# Altium PCB CL-HC-M-V2.1gerber.PcbDoc (part 13 of 16)
Units mil, origin at the board's own origin, x right, y up, seen from the top; angles counter-clockwise.
Board outline 27559.06 x 27559.06 mil, 2 copper layers (TopLayer, BottomLayer); 575 components, 528 nets, 1941 pads, 1850 vias.
Unrouted connection lines stored in the file: 70.
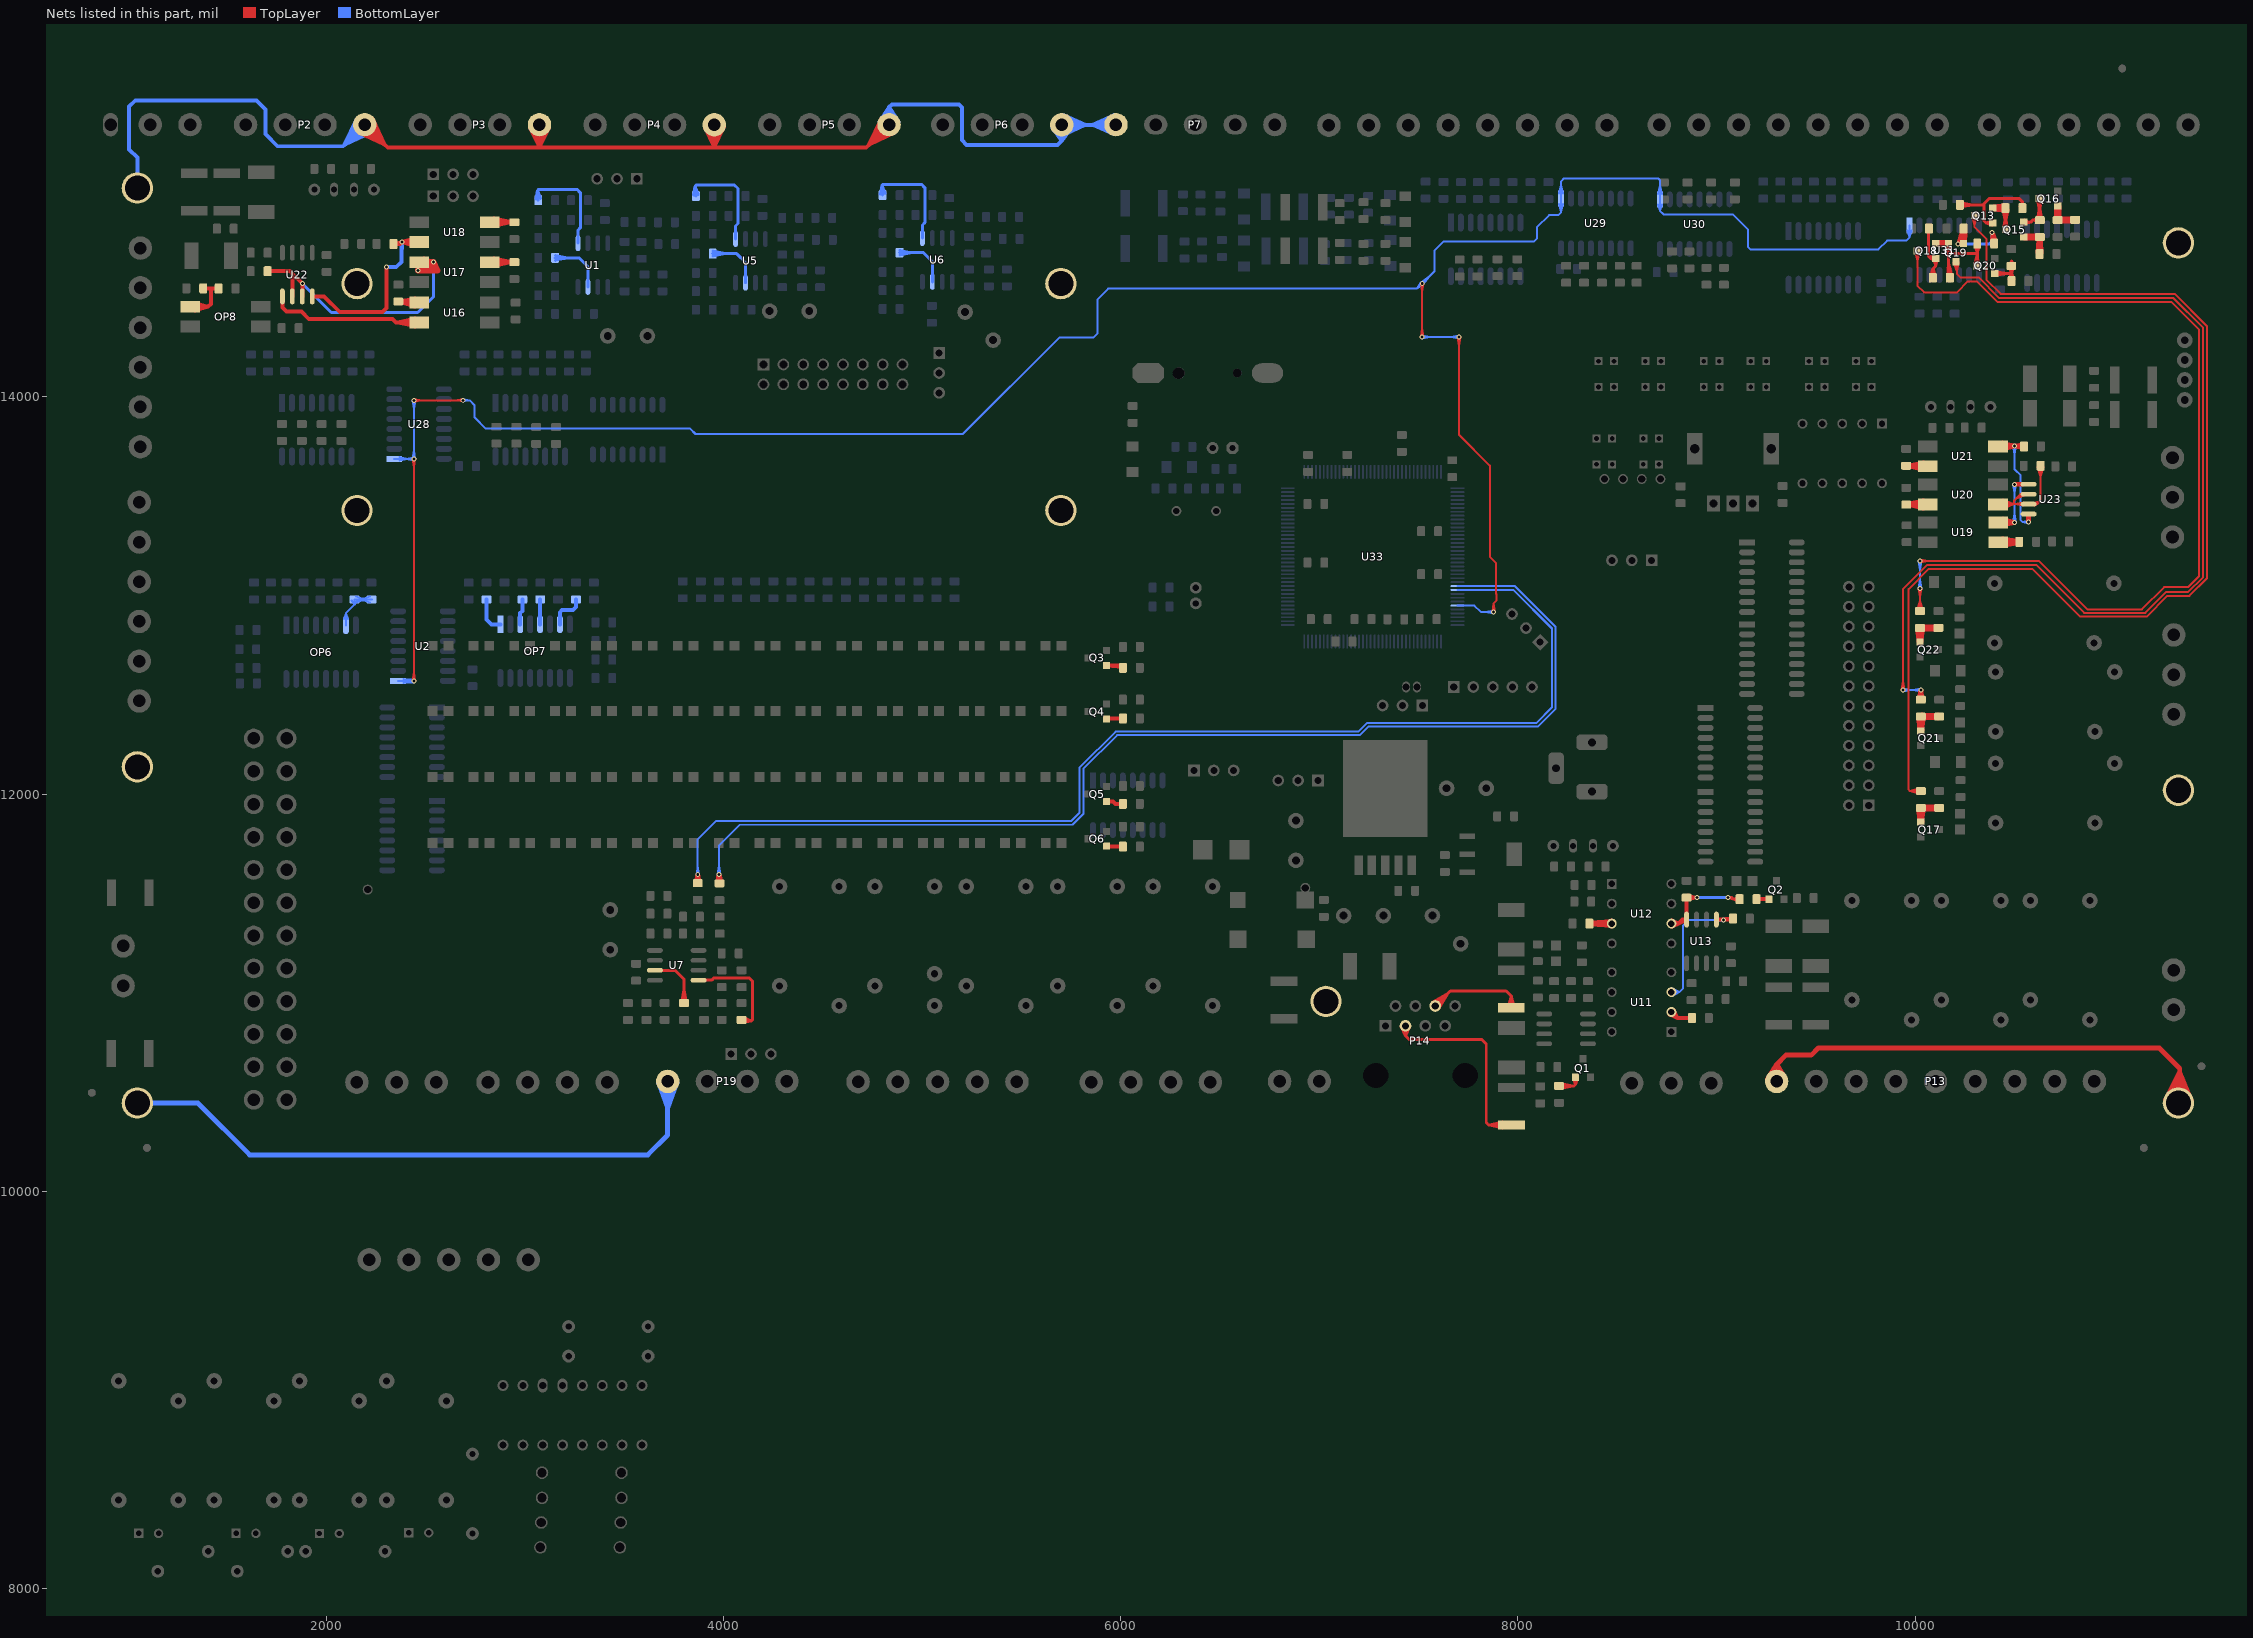
[diagram p13: the nets of this part, all layers, seen from the top]

## Via types
v1: diameter 25, hole 15, TopLayer to BottomLayer, tented both sides, 1813 vias
v2: diameter 20, hole 12, TopLayer to BottomLayer, tented both sides, 24 vias
v3: diameter 25, hole 15, TopLayer to BottomLayer, 13 vias

## Nets (pads, with @x,y where several pads share a name; then routed paths per layer and width w, separated by ;. In a path a pad name is that pad's centre, name@x,y a point inside that pad or via, vN(x,y) a via of type N, cw(c..) or ccw(c..) an arc to the next point about the centre after c; other vN are vias at no path point) (continued)
NetOP6_7: OP6.7 R147.2 R157.1 | length 681.1
  BottomLayer w10: OP6.7@2089.51,12881.81 2099.37,12910.45 ; OP6.7@2099.37,12850.16 2099.37,12910.45 ; OP6.7@2099.37,12880.16 2099.37,12910.45 ; OP6.7@2109.23,12881.81 2099.37,12910.45 ; R157.1@2128.11,12976.02 2142.5,12953.58 ; R157.1@2147.5,12980.24 2197.5,12980.24 ; R157.1@2149.75,12965.41 2197.5,12980.24 ; R157.1@2149.75,12995.07 2197.5,12980.24 ; R157.1@2156.9,12976.02 2142.5,12953.58 ; R147.2@2220.45,12965.22 2172.76,12980.24 ; R147.2@2220.57,12994.88 2172.76,12980.24 ; R147.2@2222.76,12980.04 2172.76,12980.24 ; R147.2@2227.76,12980.04 2229.59,12980.24 R157.1@2142.5,12980.24 2142.5,12953.58 ; 2099.37,12910.45 2142.5,12953.58
NetOP7_1: OP7.1 R71.2 | length 304.1
  BottomLayer w20: 2807.76,12900.04 R71.2@2807.76,12980.04 2807.76,12879.95 2832.62,12855.09 ; 2832.62,12855.09 OP7.1@2877.06,12855.09 2832.62,12855.09
NetOP7_3: OP7.3 R70.2 | length 213.6
  BottomLayer w20: OP7.3@2977.06,12855.09 2977.06,12912.26 ; OP7.3@2977.06,12885.09 2977.06,12912.26 ; 2977.06,12912.26 2987.76,12922.96 ; 2987.76,12922.96 R70.2@2987.76,12980.04 2987.76,12922.96
NetOP7_5: OP7.5 R69.2 | length 360.8
  BottomLayer w20: OP7.5@3077.06,12855.09 3077.06,12979.34 R69.2@3077.76,12980.04 ; OP7.5@3077.06,12885.09 R69.2@3077.06,12960.09 ; OP7.5@3077.06,12899.54 R69.2@3077.76,12980.04 ; OP7.5@3077.06,12900.03 R69.2@3077.76,12980.04
NetOP7_7: OP7.7 R68.2 | length 259.8
  BottomLayer w20: OP7.7@3177.06,12855.09 3177.06,12915.7 ; OP7.7@3177.06,12885.09 3177.06,12915.7 ; 3177.06,12915.7 3188.2,12926.84 3243.18,12926.84 3257.76,12941.42 ; 3257.76,12941.42 R68.2@3257.76,12980.04 3257.76,12941.42
NetOP8_1: OP8.1 R143.2 R153.1 | length 511.1
  TopLayer w20: OP8.1@1316.4,14453.86 1405.55,14453.86 ; OP8.1@1336.08,14453.86 1405.55,14453.86 ; OP8.1@1338.82,14434.53 1405.55,14453.86 ; OP8.1@1338.82,14473.2 1405.55,14453.86 ; R143.2@1458.68,14545.33 1419.4,14545.33 ; 1405.55,14453.86 1419.4,14467.71 1419.4,14545.33 ; 1419.4,14545.33 1381.99,14545.33 R153.1@1381.07,14546.26 1419.4,14545.33
NetQ1_2: Q1.2 R158.2 | length 421.9
  TopLayer w15: R158.2@8206.96,10531.03 8282.11,10531.03 8289.97,10538.9 ; R158.2@8211.96,10531.03 8276.96,10531.03 ; R158.2@8213.16,10518.59 8276.96,10531.03 ; R158.2@8213.16,10543.47 8276.96,10531.03 ; Q1.2@8279.87,10572.32 8289.97,10538.9 ; Q1.2@8289.97,10573.82 8289.97,10538.9 ; Q1.2@8289.97,10574.8 8289.97,10538.9 ; Q1.2@8300.08,10572.32 8289.97,10538.9
NetQ2_2: Q2.2 R163.1 | length 62.6
  TopLayer w20: R163.1@9201.04,11471.14 Q2.2@9263.64,11471.14
NetQ3_2: Q3.2 R208.1 | length 321.5
  TopLayer w20: R208.1@6011.13,12635.98 R208.1@5999.07,12648.05 ; R208.1@5999.07,12648.05 Q3.2@5928.65,12648.05 6011.13,12640.98 5929.63,12648.05 R208.1@5999.07,12648.05
NetQ4_2: Q4.2 R210.1 | length 241.6
  TopLayer w20: Q4.2@5928.65,12378.05 5931.58,12380.98 R210.1@6011.13,12380.98 Q4.2@5931.17,12378.1 ; Q4.2@5929.63,12378.05 R210.1@6007.51,12380.98
NetQ5_2: Q5.2 R212.1 | length 118.7
  TopLayer w20: Q5.2@5928.65,11963.05 5960.85,11963.05 ; Q5.2@5929.63,11963.05 5960.85,11963.05 ; R212.1@6011.13,11950.98 5972.91,11950.98 5960.85,11963.05
NetQ6_2: Q6.2 R214.1 | length 314.9
  TopLayer w20: Q6.2@5928.65,11738.05 5930.72,11735.98 6006.13,11735.98 Q6.2@5929.63,11738.05 ; Q6.2@5931.13,11735.98 R214.1@6011.13,11735.98 Q6.2@5931.15,11738.01
NetQ13_1: Q13.1 R260.2 | length 5867.6
  TopLayer w10: R260.2@10020.87,12000.53 9973.38,12015.36 ; R260.2@10020.87,12030.19 9973.38,12015.36 ; R260.2@10023.13,12015.36 9973.38,12015.36 ; R260.2@10028.13,12015.36 9973.38,12015.36 ; Q13.1@10286,14910.91 10298.61,14864.89 Q13.1@10311.21,14910.91 ; Q13.1@10298.61,14912.6 10298.61,14855.09 10358.67,14795.02 10358.67,14589.59 10429.91,14518.36 11306.07,14518.36 11469.08,14355.35 11469.08,13087.33 11380.26,12998.5 11269.72,12998.5 11164.72,12893.5 10831.19,12893.5 10590.33,13134.36 10068.66,13134.36 9966.38,13032.07 9966.38,12022.36 9973.38,12015.36
NetQ13_2: Q13.2 R257.2 R261.1 | length 809.3
  TopLayer w15: R261.1@10224.57,14966.99 10344.92,14966.99 10347.18,14964.73 ; R261.1@10225.78,14954.55 10289.57,14966.99 R261.1@10225.78,14979.43 ; Q13.2@10388.52,14865.11 10357.95,14875.2 ; Q13.2@10388.52,14885.29 10357.95,14875.2 ; Q13.2@10390.14,14875.2 10357.95,14875.2 ; Q13.2@10391.12,14875.2 10357.95,14875.2 ; R257.2@10527.02,14958.04 10539.2,14982.76 ; R257.2@10539.2,14950.21 10539.2,14982.76 ; R257.2@10539.2,14955.21 10539.2,14982.76 ; R257.2@10551.37,14958.04 10539.2,14982.76 ; 10347.18,14964.73 10347.18,14973.34 10371.48,14997.64 10524.31,14997.64 10539.2,14982.76 ; 10347.18,14964.73 10347.18,14885.98 10357.95,14875.2
NetQ13_3: Q13.3 Q15.1 R257.1 | length 1422.2
  TopLayer w15: R257.1@10441.77,14943.86 10454.94,14880.2 ; Q15.1@10444.75,14842.7 10454.94,14904.58 Q15.1@10465.12,14842.7 ; R257.1@10451.84,14957.48 Q13.3@10392.95,14939.82 ; R257.1@10451.92,14942.91 Q13.3@10392.95,14960.19 ; R257.1@10452.9,14962.64 Q13.3@10392.11,14950.01 ; R257.1@10452.92,14962.64 Q13.3@10391.13,14950.01 ; R257.1@10453.94,14967.7 Q13.3@10392.95,14960.19 ; R257.1@10454.02,14932.71 Q13.3@10392.95,14939.82 ; R257.1@10454.2,14955.21 Q13.3@10392.95,14960.19 ; Q15.1@10454.94,14841.87 10454.94,14949.46 R257.1@10454.2,14950.21 ; R257.1@10466.65,14944.15 10454.94,14880.2 ; Q13.3@10391.13,14950.01 R257.1@10454,14950.01 ; Q13.3@10391.13,14950.01 10453,14937.76 Q13.3@10392.11,14950.01 ; Q13.3@10391.13,14950.01 R257.1@10454.2,14950.21 ; Q13.3@10392.11,14950.01 R257.1@10454,14950.01 ; Q13.3@10392.11,14950.01 R257.1@10454.2,14950.21 ; Q13.3@10392.95,14939.82 R257.1@10454,14950.01 ; Q13.3@10392.95,14939.82 10454.2,14945.21 10454.94,14880.2 ; Q13.3@10392.95,14960.19 R257.1@10454,14950.01 ; R257.1@10454,14950.01 R257.1@10454.2,14950.21
NetQ15_2: Q15.2 R258.2 R262.1 | length 1838.1
  TopLayer w15: Q15.2@10547.46,14804.47 R258.2@10627.16,14804.47 10627.16,14719.97 R262.1@10625.95,14718.75 ; Q15.2@10547.57,14794.29 R258.2@10610.69,14794.03 ; Q15.2@10547.57,14814.65 R258.2@10610.69,14814.91 ; Q15.2@10550.94,14794.56 R258.2@10610.69,14814.91 ; Q15.2@10550.94,14814.37 R258.2@10610.69,14794.03 ; R262.1@10613.45,14723.31 R258.2@10617.35,14789.76 ; R262.1@10613.53,14725.19 R258.2@10627.16,14788.77 ; R262.1@10613.87,14726.97 R258.2@10636.76,14788.67 ; R258.2@10614.72,14803.26 10627.16,14739.47 R258.2@10639.6,14803.26 ; R258.2@10620.96,14792.02 Q15.2@10557.16,14804.47 ; R258.2@10620.96,14816.91 Q15.2@10557.16,14804.47 ; R258.2@10622.16,14804.47 Q15.2@10557.16,14804.47 ; R262.1@10638.14,14726.52 R258.2@10617.35,14789.76 ; R262.1@10638.42,14722.88 R258.2@10636.76,14788.67 ; R262.1@10638.41,14724.72 R258.2@10627.16,14788.77 ; Q15.2@10548.44,14804.47 R258.2@10611.16,14804.47 ; Q15.2@10548.44,14804.47 R258.2@10610.69,14814.91 ; Q15.2@10548.44,14804.47 R258.2@10611.16,14804.47 ; Q15.2@10548.44,14804.47 R258.2@10610.69,14794.03 ; R258.2@10611.16,14804.47 10549.27,14814.65 R258.2@10611.16,14804.47 ; R258.2@10611.16,14804.47 10549.27,14794.28 R258.2@10611.16,14804.47 ; R258.2@10617.35,14789.76 R262.1@10625.95,14723.75 ; R262.1@10625.95,14723.75 R258.2@10627.16,14788.77 ; R262.1@10625.95,14723.75 R258.2@10636.76,14788.67
NetQ15_3: Q15.3 Q16.1 R258.1 | length 697.4
  TopLayer w15: Q15.3@10547.46,14879.27 10581.1,14879.27 ; Q15.3@10548.44,14879.27 10581.1,14879.27 ; Q15.3@10550.04,14869.18 10581.1,14879.27 ; Q15.3@10550.04,14889.36 10581.1,14879.27 ; R258.1@10614.68,14890.23 10624.86,14954.56 ; Q16.1@10614.68,14997.68 10624.86,14935.79 Q16.1@10635.05,14997.68 ; R258.1@10618.46,14877.52 10593.59,14891.76 ; R258.1@10620.42,14901.84 10593.59,14891.76 ; R258.1@10622.16,14889.47 10593.59,14891.76 ; Q16.1@10624.86,14998.51 R258.1@10624.86,14891.76 ; R258.1@10639.55,14891.1 10624.86,14954.56 ; 10581.1,14879.27 10593.59,14891.76 ; 10593.59,14891.76 R258.1@10624.86,14891.76 ; R258.1@10624.86,14891.76 R258.1@10627.16,14889.47 10624.86,14954.56
NetQ16_2: Q16.2 R259.2 R263.1 | length 1771
  TopLayer w15: R259.2@10704.94,14891.55 10717.38,14955.35 R259.2@10729.83,14891.55 ; Q16.2@10706.21,14961.91 R259.2@10706.4,14899.04 ; Q16.2@10707.2,14960.27 10717.38,14898.39 Q16.2@10727.57,14960.27 ; Q16.2@10708.45,14958.67 R259.2@10728.37,14899.04 ; Q16.2@10716.4,14961.11 R259.2@10706.4,14899.04 ; Q16.2@10717.38,14961.11 R259.2@10717.38,14890.35 10803.5,14890.35 R263.1@10804.7,14891.55 ; Q16.2@10718.37,14961.11 R259.2@10728.37,14899.04 ; R259.2@10722.38,14890.35 R263.1@10787.38,14890.35 ; R259.2@10723.58,14877.91 R263.1@10787.38,14890.35 ; R259.2@10723.58,14902.79 R263.1@10787.38,14890.35 ; Q16.2@10726.32,14958.67 R259.2@10706.4,14899.04 ; Q16.2@10728.55,14961.91 R259.2@10728.37,14899.04 ; R263.1@10796.36,14903.59 R259.2@10735.11,14880.16 ; R263.1@10796.8,14879.39 R259.2@10734.39,14900.69 ; R263.1@10800.25,14904.03 R259.2@10734.39,14900.69 ; R263.1@10800.68,14879.08 R259.2@10735.11,14880.16 ; R259.2@10734.39,14900.69 R263.1@10799.7,14891.55 ; R259.2@10734.65,14890.35 10798.72,14879.08 R259.2@10734.68,14890.35 ; R259.2@10734.65,14890.35 10798.27,14903.96 R259.2@10734.68,14890.35 ; R259.2@10734.65,14890.35 R263.1@10799.7,14891.55 ; R259.2@10734.68,14890.35 R263.1@10799.7,14891.55 ; R259.2@10735.11,14880.16 R263.1@10799.7,14891.55
NetQ17_2: Q17.2 R260.1 R275.2 | length 1793
  TopLayer w15: R260.1@10010.64,11929.95 Q17.2@10018.96,11865.74 ; R260.1@10015.69,11929.16 10028.13,11865.36 R260.1@10040.58,11929.16 ; Q17.2@10017.95,11859.59 10028.13,11921.48 Q17.2@10038.32,11859.59 ; R260.1@10020.79,11928.35 Q17.2@10037.3,11865.74 ; R260.1@10023.13,11930.36 Q17.2@10018.96,11865.74 ; Q17.2@10028.13,11858.76 R260.1@10028.13,11930.36 R275.2@10120.65,11930.36 ; R260.1@10032.53,11917.87 R275.2@10099.11,11920.91 ; R260.1@10032.53,11942.84 R275.2@10099.11,11939.81 ; R260.1@10035.47,11928.35 Q17.2@10018.96,11865.74 ; R260.1@10036.06,11918.2 R275.2@10099.11,11939.81 ; R260.1@10036.06,11942.51 R275.2@10099.11,11920.91 ; R260.1@10045.63,11929.95 Q17.2@10037.3,11865.74 ; R275.2@10114.45,11917.92 R260.1@10050.65,11930.36 ; R275.2@10114.45,11942.8 R260.1@10050.65,11930.36 ; R275.2@10115.65,11930.36 R260.1@10050.65,11930.36 ; R260.1@10033.13,11930.36 Q17.2@10037.3,11865.74 ; R260.1@10033.13,11930.36 R275.2@10098.13,11930.36 ; R260.1@10033.13,11930.36 R275.2@10099.11,11920.91 ; R260.1@10033.13,11930.36 R275.2@10099.11,11939.81 ; R260.1@10033.13,11930.36 R275.2@10098.13,11930.36 ; R275.2@10098.13,11930.36 10034.33,11942.8 R275.2@10098.13,11930.36 ; R275.2@10098.13,11930.36 10034.33,11917.92 R275.2@10098.13,11930.36
NetQ18_1: Q18.1 R283.1 | length 5418.5
  TopLayer w10: Q18.1@9998,14732.87 10010.61,14686.85 Q18.1@10023.21,14732.87 ; R283.1@10009.25,12924.07 10024.08,12971.82 R283.1@10038.91,12924.07 ; Q18.1@10010.61,14734.56 10010.61,14560.57 10044.79,14526.39 10210.52,14526.39 10265.26,14581.13 10310.57,14581.13 10413.34,14478.36 11289.51,14478.36 11429.08,14338.78 11429.08,13098.24 11373.35,13042.5 11253.44,13042.5 11141.39,12930.45 10866.58,12930.45 10622.68,13174.36 v1@10024.08,13174.36 ; v1@10016.61,13035.7 10024.08,12993.86 ; R283.1@10024.08,12921.82 v1(10024.08,13036.36) 10024.08,12993.86 ; v1(10024.08,13174.06) 10066.58,13174.36 ; v1@10024.69,13181.54 10066.58,13174.36 ; v1@10024.79,13166.6 10066.58,13174.36 ; v1@10031.55,13035.7 10024.08,12993.86
  BottomLayer w10: v1@10016.61,13037.02 10024.08,13078.86 v1@10031.55,13037.02 ; v1@10016.61,13173.4 10024.08,13131.56 v1@10031.55,13173.4 ; v1(10024.08,13036.36) v1(10024.08,13174.06)
NetQ18_2: Q18.2 R265.2 R269.1 | length 737.3
  TopLayer w15: R269.1@10069.14,14847.28 10066.93,14845.07 10066.93,14708.31 ; R265.2@10076.98,14606.63 10089.33,14645.64 ; R265.2@10089.33,14599.72 10089.33,14645.64 ; R265.2@10089.33,14604.72 10089.33,14645.64 ; Q18.2@10093,14695.78 10103.13,14659.43 ; Q18.2@10097.74,14687.94 10066.93,14708.31 ; R265.2@10101.68,14606.63 10089.33,14645.64 ; Q18.2@10103.85,14707.23 10066.93,14708.31 ; Q18.2@10113.25,14695.78 10103.13,14659.43 ; 10066.93,14708.31 10078.07,14697.16 ; 10066.93,14708.31 Q18.2@10102.14,14697.16 ; 10078.07,14697.16 Q18.2@10103.13,14697.16 10103.13,14659.43 ; 10078.07,14697.16 10099.97,14687.18 10078.07,14697.16 ; 10078.07,14697.16 10099.97,14707.15 10078.07,14697.16 ; 10078.07,14697.16 Q18.2@10102.14,14697.16 ; 10078.07,14697.16 Q18.2@10102.14,14697.16 ; 10089.33,14645.64 10103.13,14659.43
NetQ18_3: Q18.3 Q19.3 Q20.1 R265.1 R266.1 | length 1827.2
  TopLayer w15: Q18.3@10103.13,14771.97 10103.3,14772.13 Q19.3@10167.99,14772.13 10167.99,14730.63 ; Q18.3@10103.28,14782.15 Q19.3@10166.25,14782.17 ; Q18.3@10103.33,14761.78 Q19.3@10166.29,14762.09 ; Q18.3@10104.92,14782.15 Q19.3@10166.83,14772.13 ; Q18.3@10104.97,14761.79 Q19.3@10166.83,14772.13 ; Q18.3@10106.53,14781.89 Q19.3@10166.29,14762.09 ; Q18.3@10106.58,14762.05 Q19.3@10166.25,14782.17 ; Q19.3@10157.86,14769.86 10167.99,14730.63 ; R265.1@10161.83,14604.7 10167.99,14670.41 ; Q19.3@10167.16,14761.95 10105.27,14772.13 Q19.3@10167.16,14782.31 ; Q19.3@10167.99,14771.15 10167.99,14730.63 ; R265.1@10174.33,14599.72 10167.99,14606.06 10167.99,14730.63 ; R265.1@10174.33,14604.72 10167.99,14670.41 ; Q19.3@10178.13,14769.86 10167.99,14730.63 ; R265.1@10186.6,14607.09 10167.99,14670.41 ; Q20.1@10299.25,14660.74 10312.37,14722.44 ; R266.1@10300,14764.96 10312.37,14723.1 ; Q20.1@10309.38,14659.43 10312.37,14722.44 ; Q20.1@10312.37,14663.4 10312.37,14723.1 ; R266.1@10312.37,14766.75 10312.37,14723.1 ; R266.1@10312.37,14771.75 10312.37,14723.1 ; Q20.1@10319.59,14659.78 10312.37,14722.44 ; R266.1@10324.74,14764.96 10312.37,14723.1 ; Q18.3@10104.11,14771.97 Q19.3@10166.83,14772.13 ; Q18.3@10104.11,14771.97 Q19.3@10166.29,14762.09 ; Q18.3@10104.11,14771.97 Q19.3@10166.25,14782.17 ; 10167.99,14730.63 10175.91,14722.71 10311.98,14722.71 10312.37,14723.1
NetQ19_1: Q19.1 R268.1 | length 5976.4
  TopLayer w10: v1@9931.14,12524.73 9938.38,12566.62 ; v1@9938.38,12524.12 9938.38,13032.36 10060.38,13154.36 10608.85,13154.36 10850.76,12912.45 11158.22,12912.45 11262.27,13016.5 11372.8,13016.5 11449.08,13092.78 11449.08,14347.06 11297.79,14498.36 10421.63,14498.36 10318.85,14601.13 10227.49,14601.13 10209.33,14619.29 10209.33,14675.68 Q19.1@10205.39,14679.61 ; v1(9938.62,12524.12) 9938.38,12566.62 ; v1@9946.08,12524.82 9938.38,12566.62 ; R268.1@10013.31,12477.68 v1(10028.13,12524.12) ; v1@10020.66,12523.45 R268.1@10028.13,12481.62 ; v1@10020.82,12525.77 R268.1@10015.02,12483.04 ; v1@10021.21,12521.22 10041.24,12483.04 v1@10035.45,12525.77 ; R268.1@10028.13,12475.37 v1(10028.13,12524.12) ; v1@10035.05,12521.22 R268.1@10015.02,12483.04 ; v1@10035.6,12523.45 R268.1@10028.13,12481.62 ; R268.1@10042.95,12477.68 v1(10028.13,12524.12) ; Q19.1@10192.97,14675.92 10209.33,14630.66 ; Q19.1@10205.39,14678.63 10209.33,14630.66 ; Q19.1@10218.09,14677.98 10209.33,14630.66 ; R268.1@10015.02,12483.04 v1(10028.13,12524.12) ; R268.1@10028.13,12481.62 v1(10028.13,12524.12)
  BottomLayer w10: v1(9938.62,12524.12) v1(10028.13,12524.12) 9985.63,12524.12 ; v1@9939.28,12516.64 9981.12,12524.12 v1@9939.28,12531.59 ; v1@10027.47,12516.64 9985.63,12524.12 ; v1@10027.47,12531.59 9985.63,12524.12
NetQ19_2: Q19.2 R266.2 R270.1 | length 2122.5
  TopLayer w15: R270.1@10231.09,14841.08 Q19.2@10243.54,14777.28 ; Q19.2@10240.76,14781.16 v1(10214.84,14770.68) ; Q19.2@10241.1,14761.07 v1(10214.84,14770.68) ; Q19.2@10242.8,14771.15 v1(10214.84,14770.68) ; R270.1@10243.54,14842.28 Q19.2@10243.54,14777.28 ; R270.1@10243.54,14847.28 10243.54,14772.87 Q19.2@10242.8,14772.13 10241.35,14770.68 v1(10214.84,14770.68) ; R270.1@10250.45,14823.27 v1(10214.84,14770.68) ; Q19.2@10252.7,14775.64 R270.1@10232.22,14835.29 ; Q19.2@10252.95,14771.99 R270.1@10254.8,14835.04 ; R270.1@10255.98,14841.08 Q19.2@10243.54,14777.28 ; v1(10214.84,14770.68) 10241.91,14826.64 v1(10214.84,14770.68) ; v1(10214.84,14770.68) Q19.2@10232.62,14774.07 ; v1(10214.84,14770.68) 10232.62,14772.22 R270.1@10232.22,14835.29 ; v1(10214.84,14770.68) R270.1@10232.22,14835.29 ; v1(10214.84,14770.68) Q19.2@10232.62,14774.07 ; v1(10214.84,14770.68) 10232.96,14775.87 R270.1@10254.8,14835.04 ; R270.1@10232.22,14835.29 Q19.2@10242.8,14773.12 ; Q19.2@10232.62,14774.07 R270.1@10243.54,14835.84 ; Q19.2@10232.62,14774.07 R270.1@10243.54,14835.84 ; Q19.2@10242.8,14773.12 R270.1@10243.54,14835.84 ; Q19.2@10242.8,14773.12 R270.1@10243.54,14835.84 ; Q19.2@10242.8,14773.12 R270.1@10254.8,14835.04 ; R270.1@10243.54,14835.84 10252.99,14773.83 R270.1@10243.54,14835.84 ; v1(10385.9,14827.51) 10397.37,14816.04 ; v1(10385.9,14827.51) R266.2@10397.37,14771.75 10397.37,14816.04 ; v1(10385.9,14827.51) 10385.03,14778.73 10397.37,14816.04 ; v1(10385.9,14827.51) 10397.37,14776.75 10397.37,14816.04 ; v1(10385.9,14827.51) 10409.71,14778.73 10397.37,14816.04
  BottomLayer w15: v1(10214.84,14770.68) 10374.56,14770.68 10385.9,14782.03 ; 10385.9,14782.03 v1(10385.9,14827.51) 10385.9,14782.03
NetQ20_2: Q20.2 R267.2 R271.1 | length 665.9
  TopLayer w15: Q20.2@10400.92,14622.03 10484.94,14622.03 10485.16,14622.25 ; Q20.2@10401.9,14622.03 10464.62,14622.03 ; Q20.2@10402.74,14611.85 10464.62,14622.03 ; Q20.2@10402.74,14632.21 10464.62,14622.03 ; R267.2@10471.41,14656.44 10485.16,14622.25 ; R267.2@10471.69,14662.76 10485.16,14685.16 ; R271.1@10472.87,14590.4 10485.16,14622.25 ; R271.1@10485.16,14583.11 10485.16,14622.25 ; R271.1@10485.16,14588.11 10485.16,14622.25 ; R267.2@10495.92,14661.34 10485.16,14685.16 ; R267.2@10496.03,14657.46 10485.16,14622.25 ; R271.1@10497.45,14590.4 10485.16,14622.25 ; 10485.16,14622.25 10485.16,14685.16 ; 10485.16,14622.25 R267.2@10483.63,14659.07 10485.16,14685.16
NetQ21_2: Q21.2 R268.2 R276.2 | length 1793
  TopLayer w15: R268.2@10010.64,12389.97 Q21.2@10018.96,12325.75 ; R268.2@10015.69,12389.17 10028.13,12325.37 R268.2@10040.58,12389.17 ; Q21.2@10017.95,12319.61 10028.13,12381.49 Q21.2@10038.32,12319.61 ; R268.2@10020.79,12388.37 Q21.2@10037.3,12325.75 ; R268.2@10023.13,12390.37 Q21.2@10018.96,12325.75 ; Q21.2@10028.13,12318.77 R268.2@10028.13,12390.37 R276.2@10120.65,12390.37 ; R268.2@10032.53,12377.89 R276.2@10099.11,12380.92 ; R268.2@10032.53,12402.86 R276.2@10099.11,12399.82 ; R268.2@10035.47,12388.37 Q21.2@10018.96,12325.75 ; R268.2@10036.06,12378.22 R276.2@10099.11,12399.82 ; R268.2@10036.06,12402.52 R276.2@10099.11,12380.92 ; R268.2@10045.63,12389.97 Q21.2@10037.3,12325.75 ; R276.2@10114.45,12377.93 R268.2@10050.65,12390.37 ; R276.2@10114.45,12402.81 R268.2@10050.65,12390.37 ; R276.2@10115.65,12390.37 R268.2@10050.65,12390.37 ; R268.2@10033.13,12390.37 Q21.2@10037.3,12325.75 ; R268.2@10033.13,12390.37 R276.2@10098.13,12390.37 ; R268.2@10033.13,12390.37 R276.2@10099.11,12380.92 ; R268.2@10033.13,12390.37 R276.2@10099.11,12399.82 ; R268.2@10033.13,12390.37 R276.2@10098.13,12390.37 ; R276.2@10098.13,12390.37 10034.33,12402.81 R276.2@10098.13,12390.37 ; R276.2@10098.13,12390.37 10034.33,12377.93 R276.2@10098.13,12390.37
NetQ22_2: Q22.2 R283.2 R284.2 | length 1793
  TopLayer w15: R283.2@10006.58,12836.41 Q22.2@10014.91,12772.2 ; R283.2@10011.64,12835.62 10024.08,12771.82 R283.2@10036.52,12835.62 ; Q22.2@10013.89,12766.05 10024.08,12827.93 Q22.2@10034.26,12766.05 ; R283.2@10016.74,12834.81 Q22.2@10033.25,12772.2 ; R283.2@10019.08,12836.82 Q22.2@10014.91,12772.2 ; Q22.2@10024.08,12765.22 R283.2@10024.08,12836.82 R284.2@10116.6,12836.82 ; R283.2@10028.47,12824.33 R284.2@10095.06,12827.37 ; R283.2@10028.47,12849.3 R284.2@10095.06,12846.27 ; R283.2@10031.42,12834.81 Q22.2@10014.91,12772.2 ; R283.2@10032,12824.66 R284.2@10095.06,12846.27 ; R283.2@10032,12848.97 R284.2@10095.06,12827.37 ; R283.2@10041.57,12836.41 Q22.2@10033.25,12772.2 ; R284.2@10110.4,12824.38 R283.2@10046.6,12836.82 ; R284.2@10110.4,12849.26 R283.2@10046.6,12836.82 ; R284.2@10111.6,12836.82 R283.2@10046.6,12836.82 ; R283.2@10029.08,12836.82 Q22.2@10033.25,12772.2 ; R283.2@10029.08,12836.82 R284.2@10094.08,12836.82 ; R283.2@10029.08,12836.82 R284.2@10095.06,12827.37 ; R283.2@10029.08,12836.82 R284.2@10095.06,12846.27 ; R283.2@10029.08,12836.82 R284.2@10094.08,12836.82 ; R284.2@10094.08,12836.82 10030.28,12849.26 R284.2@10094.08,12836.82 ; R284.2@10094.08,12836.82 10030.28,12824.38 R284.2@10094.08,12836.82